# KiCad board AnalogFNN.kicad_pcb (continued)
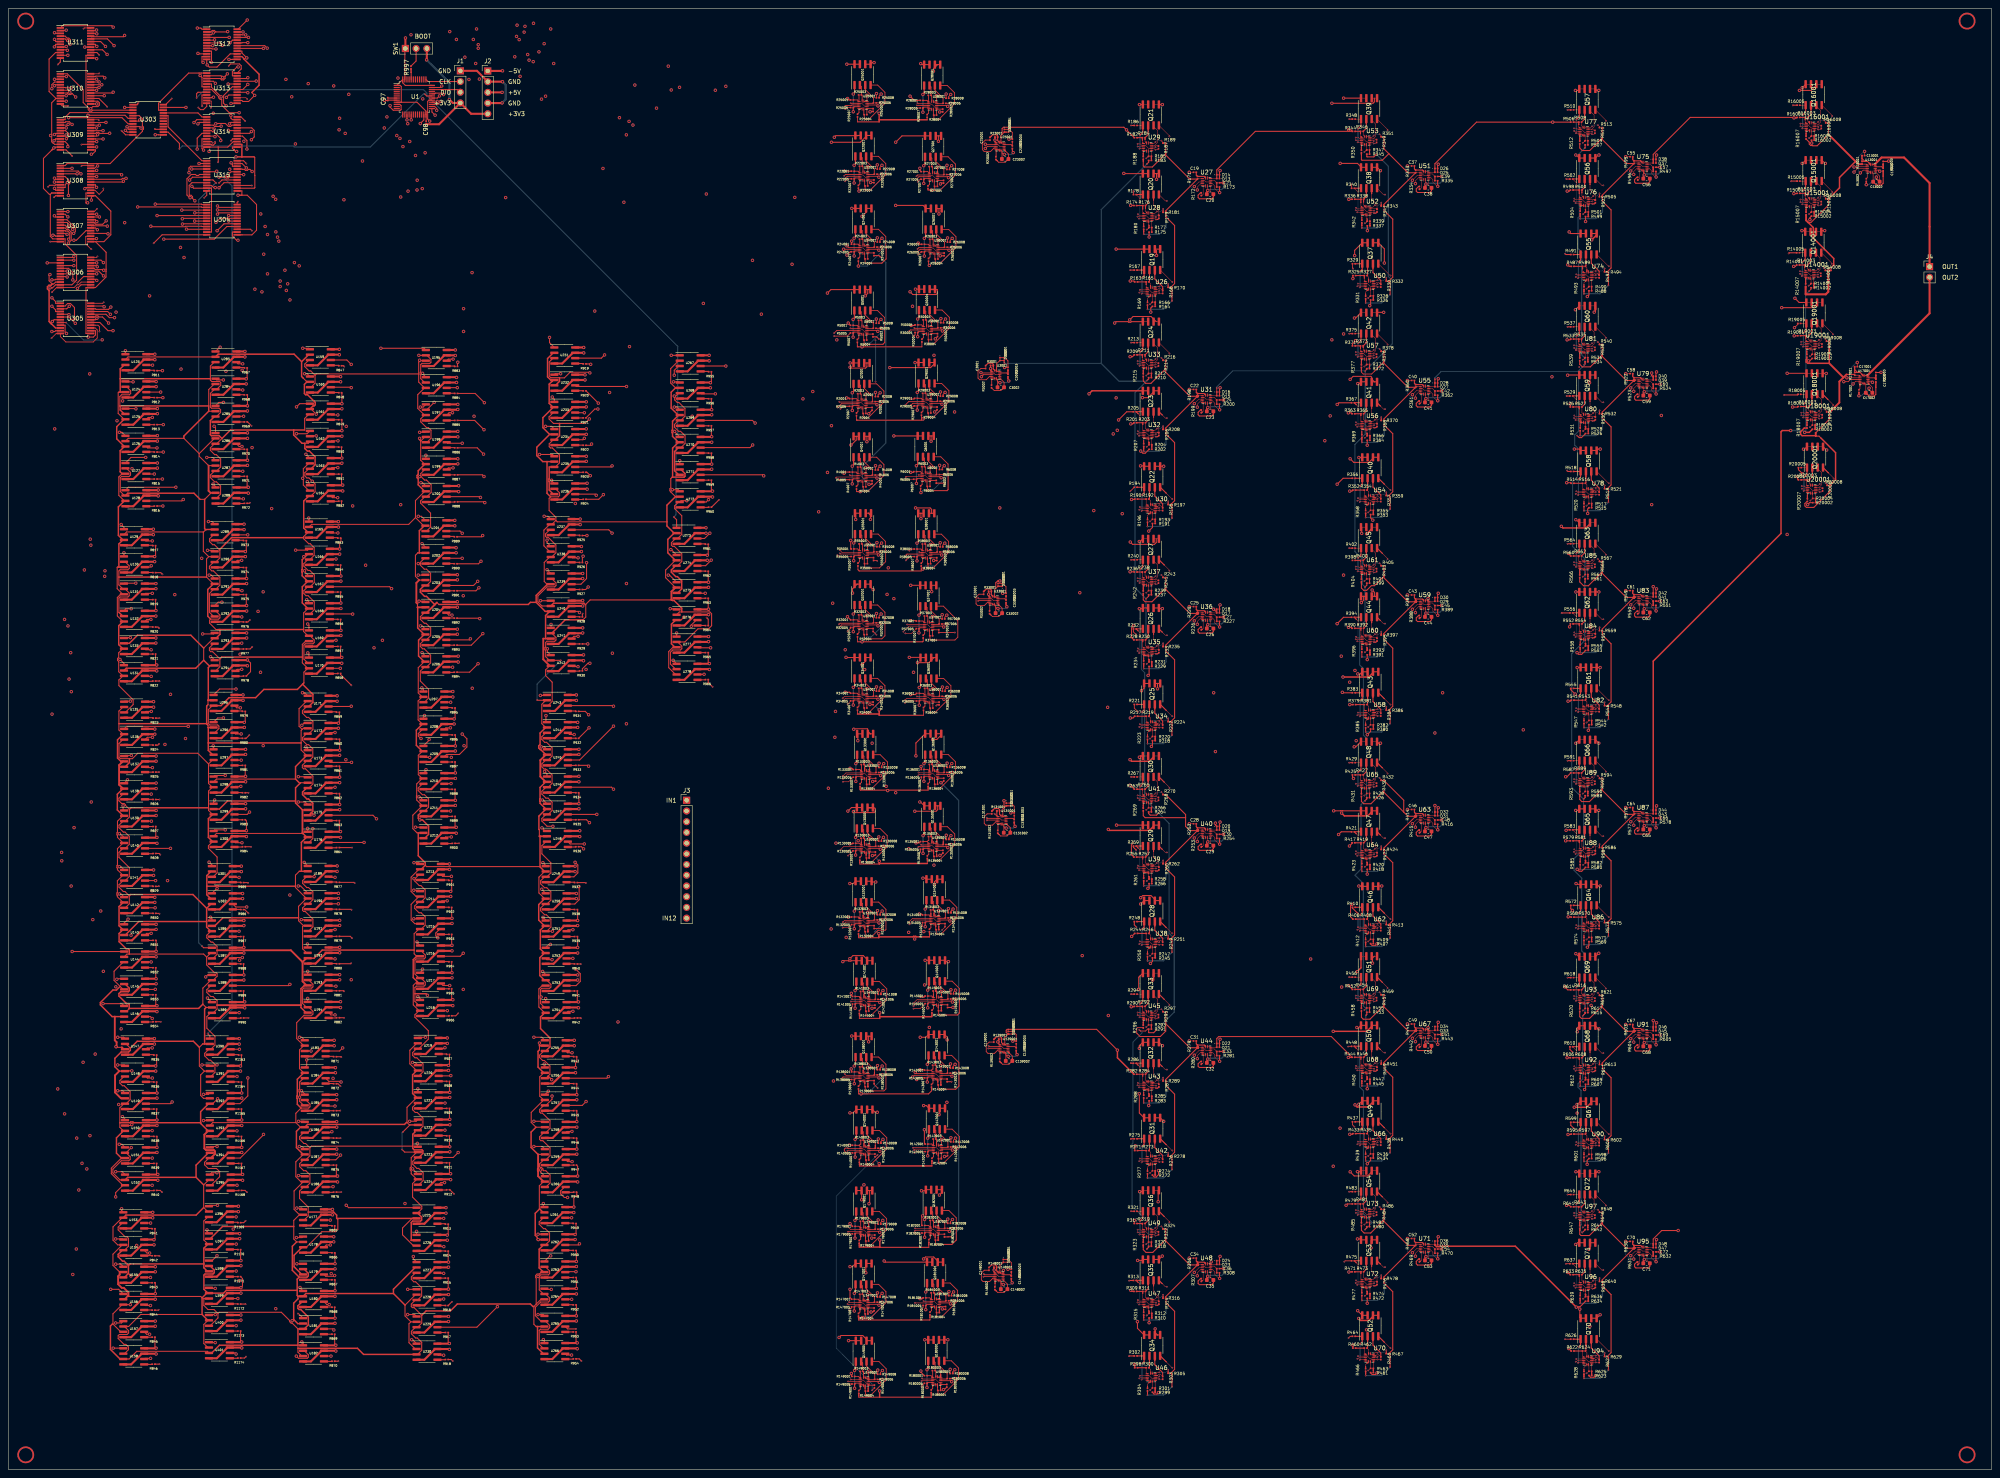
[diagram p0: board, top side]
## Routing (per net, layer and track width the routed paths; a pad name or vN(x,y) marks a point on that pad's centre or on a via; arc(x,y) is an arc through that point) (continued)
Net-(C43-Pad1): length 3.3
  Top w0.25: 335.33,206.21 335.42,206.12 ; 335.33,206.21 335.33,206.18 U59.14 ; 335.33,206.21 335.1,206.43 R387.2 333.21,206.71 C43.1
Net-(C44-Pad2): length 8.9
  Top w0.1: 335.84,202.34 U59.7
  Top w0.25: C44.2 335.72,202.88 v1(335.94,203.11) ; v1(339.66,204.91) C45.1
  Bottom w0.25: v1(335.94,203.11) 336.14,203.31 339.26,203.31 339.66,203.71 v1(339.66,204.91)
Net-(C46-Pad1): length 3.3
  Top w0.25: 335.33,155.34 335.42,155.25 ; 335.33,155.34 335.1,155.56 R414.2 333.21,155.84 C46.1 ; 335.33,155.34 335.33,155.31 U63.14
Net-(C47-Pad2): length 8.9
  Top w0.1: 335.84,151.47 U63.7
  Top w0.25: C47.2 335.72,152.01 v1(335.94,152.24) ; v1(339.66,154.04) C48.1
  Bottom w0.25: v1(335.94,152.24) 336.14,152.44 339.26,152.44 339.66,152.84 v1(339.66,154.04)
Net-(C49-Pad1): length 3.3
  Top w0.25: 335.33,104.47 335.1,104.69 R441.2 333.21,104.97 C49.1 ; 335.33,104.47 335.33,104.44 U67.14 ; 335.33,104.47 335.42,104.38
Net-(C50-Pad2): length 8.9
  Top w0.1: 335.84,100.6 U67.7
  Top w0.25: v1(339.66,103.17) C51.1 ; v1(335.94,101.37) 335.72,101.14 C50.2
  Bottom w0.25: v1(335.94,101.37) 336.14,101.57 339.26,101.57 339.66,101.97 v1(339.66,103.17)
Net-(C52-Pad1): length 3.3
  Top w0.25: 335.33,53.6 335.33,53.57 U71.14 ; 335.33,53.6 335.42,53.5 ; 335.33,53.6 335.1,53.82 R468.2 333.21,54.1 C52.1
Net-(C53-Pad2): length 8.9
  Top w0.1: U71.7 335.84,49.73
  Top w0.25: v1(335.94,50.5) 335.72,50.27 C53.2 ; v1(339.66,52.3) C54.1
  Bottom w0.25: v1(335.94,50.5) 336.14,50.7 339.26,50.7 339.66,51.1 v1(339.66,52.3)
Net-(C55-Pad1): length 4
  Top w0.25: 384.96,310.99 384.96,310.64 R495.2 386.82,310.36 ; 384.96,310.99 C55.1 384.96,310.99 ; U75.14 386.82,310.36 ; 386.82,310.36 386.85,310.36 387.16,310.04
Net-(C56-Pad2): length 9.2
  Top w0.1: 387.59,306.26 U75.7
  Top w0.25: v1(387.69,307.04) 387.46,306.81 387.46,306.48 ; 387.59,307.51 U75.7 ; v1(391.4,308.84) C57.1
  Bottom w0.25: v1(387.69,307.04) 387.89,307.24 391,307.24 391.4,307.64 v1(391.4,308.84)
Net-(C58-Pad1): length 4
  Top w0.25: 387.16,258.6 386.85,258.91 386.82,258.91 ; 386.82,258.91 R522.2 384.96,259.19 384.96,259.54 ; 386.82,258.91 U79.14 ; 384.96,259.54 C58.1 384.96,259.54
Net-(C59-Pad2): length 8.9
  Top w0.1: 387.59,254.82 387.59,256.42
  Top w0.25: v1(387.69,255.59) 387.46,255.37 387.46,254.69 ; 387.59,256.42 U79.7 ; v1(391.4,257.39) C60.1
  Bottom w0.25: v1(391.4,257.39) 391.4,256.19 391,255.79 387.89,255.79 v1(387.69,255.59)
Net-(C61-Pad1): length 3.7
  Top w0.25: 387.07,207.25 387.07,207.22 U83.14 ; 387.07,207.25 386.85,207.47 R549.2 384.96,207.75 384.96,208.1 ; 387.07,207.25 387.16,207.16 ; 384.96,208.1 C61.1 384.96,208.1
Net-(C62-Pad2): length 8.9
  Top w0.1: 387.59,203.38 387.59,204.97
  Top w0.25: 387.46,203.25 387.46,203.92 v1(387.69,204.15) ; v1(391.4,205.95) C63.1 ; 387.59,204.97 U83.7
  Bottom w0.25: v1(391.4,205.95) 391.4,204.75 391,204.35 387.89,204.35 v1(387.69,204.15)
Net-(C64-Pad1): length 3.7
  Top w0.25: 384.96,156.66 384.96,156.31 R576.2 386.85,156.03 387.07,155.8 ; 384.96,156.66 C64.1 384.96,156.66 ; U87.14 387.07,155.77 387.07,155.8 ; 387.07,155.8 387.16,155.71
Net-(C65-Pad2): length 8.9
  Top w0.1: 387.59,153.53 387.59,151.93
  Top w0.25: v1(387.69,152.71) 387.46,152.48 387.46,151.81 ; 387.59,153.53 U87.7 ; v1(391.4,154.51) C66.1
  Bottom w0.25: v1(387.69,152.71) 387.89,152.91 391,152.91 391.4,153.31 v1(391.4,154.51)
Net-(C67-Pad1): length 3.7
  Top w0.25: 387.07,104.36 387.16,104.27 ; 387.07,104.36 387.07,104.33 U91.14 ; 387.07,104.36 386.85,104.58 R603.2 384.96,104.86 384.96,105.21 ; 384.96,105.21 C67.1 384.96,105.21
Net-(C68-Pad2): length 8.9
  Top w0.1: 387.59,102.09 387.59,100.49
  Top w0.25: v1(391.4,103.06) C69.1 ; 387.59,102.09 U91.7 ; v1(387.69,101.26) 387.46,101.04 387.46,100.36
  Bottom w0.25: v1(387.69,101.26) 387.89,101.46 391,101.46 391.4,101.86 v1(391.4,103.06)
Net-(C70-Pad1): length 3.7
  Top w0.25: U95.14 387.07,52.89 387.07,52.92 ; 387.07,52.92 386.85,53.14 R630.2 384.96,53.42 384.96,53.77 ; 387.07,52.92 387.16,52.82 ; 384.96,53.77 C70.1 384.96,53.77
Net-(C71-Pad2): length 8.9
  Top w0.1: 387.59,50.64 387.59,49.04
  Top w0.25: 387.46,48.92 387.46,49.59 v1(387.69,49.82) ; v1(391.4,51.62) C72.1 ; 387.59,50.64 U95.7
  Bottom w0.25: v1(387.69,49.82) 387.89,50.02 391,50.02 391.4,50.42 v1(391.4,51.62)
Net-(C3001-Pad1): length 4.1
  Top w0.25: 233.41,261.59 233.41,262.13 233.16,262.38 232.19,262.38 C3001.1 ; 233.41,261.59 233.41,261.01 233.76,260.66 233.76,260.63 U3001.14 ; 233.41,261.59 R3001.2
Net-(C3002-Pad2): length 6.5
  Top w0.2: 234.44,258.1 234.44,256.68 ; 234.44,258.1 234.79,257.75 v1(234.99,257.75) ; 234.44,258.1 234.44,258.45 U3001.7 ; C3003.1 236.89,258.35 v1(237.09,258.15)
  Top w0.25: 236.89,258.74 C3003.1
  Bottom w0.2: v1(234.99,257.75) 236.69,257.75 v1(237.09,258.15)
Net-(C13001-Pad1): length 5.7
  Top w0.2: 441.24,309.51 441.22,309.51 441.02,309.7
  Top w0.25: 441.24,309.51 441.24,309.5 U13001.14 ; R13001.2 439.99,310.22 ; 439.99,310.22 439.29,310.92 C13001.1 439.29,310.24 ; 439.99,310.22 440.61,310.22 441.02,309.81 ; 441.02,309.7 441.02,309.81 ; 441.02,309.81 441.27,309.56
Net-(C13002-Pad2): length 9
  Top w0.15: 441.93,305.72 441.93,307.36 U13001.7
  Top w0.25: C13002.2 442.68,304.65 443.91,304.65 444.31,305.04 444.31,306.71 ; 444.31,306.71 C13003.1 444.31,306.71
Net-(C17001-Pad1): length 5.7
  Top w0.2: 439.5,259.45 439.49,259.45 439.29,259.65
  Top w0.25: U17001.14 439.5,259.45 ; R17001.2 438.25,260.16 ; 438.25,260.16 437.55,260.86 C17001.1 437.55,260.18 ; 438.25,260.16 438.87,260.16 439.29,259.75 ; 439.29,259.75 439.53,259.51 ; 439.29,259.75 439.29,259.65
Net-(C17002-Pad2): length 9.9
  Top w0.15: U17001.7 440.2,257.31 C17002.2
  Top w0.25: 442.57,256.66 C17003.1 442.57,256.66 ; 442.57,256.66 442.57,254.99 442.18,254.59 440.95,254.59 440.57,254.97 ; 440.57,254.97 440.57,254.97 C17002.2 440.57,254.97
Net-(C23001-Pad1): length 4.5
  Top w0.25: 234.67,314.94 234.8,314.81 ; 234.67,314.94 234.67,314.91 U23001.14 ; 234.67,314.94 234.45,315.16 R23001.2 234.45,316.28 234.2,316.52 233.23,316.52 232.93,316.22 ; 232.93,316.22 C23001.1 232.93,316.22
Net-(C23002-Pad2): length 6.5
  Top w0.2: U23001.7 235.48,312.6 235.48,312.25 ; 235.48,312.25 235.48,310.82 ; 235.48,312.25 235.83,311.9 v1(236.03,311.9) ; v1(238.13,312.3) 237.93,312.5 C23003.1
  Top w0.25: 237.93,312.89 C23003.1
  Bottom w0.2: v1(238.13,312.3) 237.73,311.9 v1(236.03,311.9)
Net-(C33001-Pad1): length 4.7
  Top w0.25: 233.17,207.24 233.3,207.1 ; 233.17,207.24 232.95,207.46 232.95,208.08 ; 233.17,207.24 233.17,207.21 U33001.14 ; 231.43,208.52 C33001.1 231.43,208.52 ; 231.43,208.52 231.73,208.82 232.7,208.82 232.95,208.58 232.95,208.08 ; 232.95,208.08 R33001.2
Net-(C33002-Pad2): length 6.5
  Top w0.2: U33001.7 233.98,204.9 233.98,204.55 ; 233.98,204.55 233.98,203.12 ; 233.98,204.55 234.33,204.2 v1(234.53,204.2) ; C33003.1 236.43,204.8 v1(236.63,204.6)
  Top w0.25: 236.43,205.19 C33003.1
  Bottom w0.2: v1(236.63,204.6) 236.23,204.2 v1(234.53,204.2)
Net-(C131001-Pad1): length 4.4
  Top w0.25: 233.37,156.45 C131001.1 233.37,156.45 ; 233.37,156.45 233.67,156.75 234.64,156.75 234.89,156.5 R131001.2 234.89,155.38 235.14,155.14 ; 235.14,155.14 235.14,155.11 U131001.14 ; 235.14,155.14 235.24,155.03
Net-(C131002-Pad2): length 6.5
  Top w0.2: 235.92,152.47 235.92,151.05 ; 235.92,152.47 235.92,152.82 U131001.7 ; 235.92,152.47 236.27,152.12 v1(236.47,152.12) ; v1(238.57,152.53) 238.37,152.72 C131003.1
  Top w0.25: 238.37,153.12 C131003.1
  Bottom w0.2: v1(238.57,152.53) 238.17,152.12 v1(236.47,152.12)
Net-(C139001-Pad1): length 4.4
  Top w0.25: 235.61,101.01 235.61,100.98 U139001.14 ; 235.61,101.01 235.36,101.26 R139001.2 235.36,102.38 235.12,102.62 234.15,102.62 233.84,102.32 ; 235.61,101.01 235.72,100.9 ; 233.84,102.32 C139001.1 233.84,102.32
Net-(C139002-Pad2): length 6.7
  Top w0.2: 236.39,98.35 236.74,98 v1(236.94,98) ; 236.39,98.35 236.39,96.93 ; 236.39,98.35 236.39,98.7 U139001.7 ; v1(239.04,98.4) 238.84,98.6 C139003.1
  Top w0.25: 236.26,98.82 U139001.7 ; 238.84,98.99 C139003.1
  Bottom w0.2: v1(236.94,98) 238.64,98 v1(239.04,98.4)
Net-(C148001-Pad1): length 4.4
  Top w0.25: 234.2,47.71 234.2,47.15 234.37,46.99 ; 234.2,47.71 234.2,48.27 233.96,48.52 232.99,48.52 232.38,47.92 ; 234.2,47.71 234.2,47.99 ; 234.37,46.99 234.37,46.96 U148001.14 ; 234.37,46.99 234.56,46.8
Net-(C148002-Pad2): length 6.5
  Top w0.2: 235.23,44.25 235.23,42.82 ; 235.23,44.25 235.23,44.6 U148001.7 ; 235.23,44.25 235.58,43.89 v1(235.78,43.89) ; v1(237.88,44.3) 237.68,44.5 237.68,45.27
  Top w0.25: 237.68,44.88 237.68,44.89 C148003.1
  Bottom w0.2: v1(237.88,44.3) 237.48,43.89 v1(235.78,43.89)
Net-(Q19A-G1): length 4.6
  Top w0.1: U26.14 270.66,281.27 R165.2
  Top w0.25: 270.42,284.27 270.42,281.79 R165.2 ; 270.66,280.81 U26.14
Net-(Q19A-S1): length 8.3
  Top w0.1: U26.4 268.71,279 v2(268.56,278.85)
  Top w0.25: 269.15,283.81 269.15,283.14 v2(268.66,282.65) ; R167.2 269.13,284.45
  Bottom w0.25: v2(268.66,282.65) 268.66,278.95 v2(268.56,278.85)
Net-(Q19B-G2): length 17.6
  Top w0.1: U26.7 271.14,278.37 R166.2 270.64,276.35 v2(270.56,276.35) ; v2(275.86,281.65) 275.79,281.65 Q19.4
  Top w0.25: 270.98,276.7 R166.2
  In1.Cu w0.1: v2(270.56,276.35) 275.76,276.35 276.26,276.85 276.26,281.25 v2(275.86,281.65)
Net-(Q19B-S2): length 9.2
  Top w0.1: R168.2 273.08,280.05 272.58,280.05 272.33,279.8 U26.11
  Top w0.25: 273.56,280.03 R168.2 273.56,280.03 ; 273.56,280.03 273.56,280.49 271.69,282.36 271.69,283.42 ; 271.69,283.42 Q19.3 271.69,283.42
Net-(Q20A-G1): length 6.7
  Top w0.1: R176.2 269.48,298.38 U28.14
  Top w0.25: 270.12,301.38 270.12,301.38 Q20.2 ; 270.12,301.38 270.12,302.37 ; 270.12,301.38 270.12,300.39 R176.2 269.48,299.1 ; 269.71,298.15 U28.14
Net-(Q20A-S1): length 8.8
  Top w0.1: R178.2 268.16,301.47 v2(268.16,300.55) ; v2(267.96,296.65) U28.4
  Top w0.25: Q20.1 267.3,302.37
  Bottom w0.1: v2(268.16,300.55) 268.16,296.85 v2(267.96,296.65)
Net-(Q20B-G2): length 16.8
  Top w0.1: R177.2 269.84,294.05 v2(269.76,294.05) ; 270.26,294.63 270.26,295.87 ; Q20.4 274.19,300.85 v2(274.56,300.85)
  Top w0.25: 270.17,294.38 R177.2 270.34,295.06 270.26,295.14 ; 270.26,295.87 U28.7
  In1.Cu w0.1: v2(269.76,294.05) 273.16,294.05 275.06,295.95 275.06,300.35 v2(274.56,300.85)
Net-(Q20B-S2): length 8.5
  Top w0.1: 271.06,297.5 272.53,297.5 ; 272.66,297.43 272.66,298.49 271.39,299.75 Q20.3
  Top w0.25: 271.06,297.5 U28.11 ; 272.66,297.43 272.59,297.5 272.53,297.5 ; 271.39,301.06 Q20.3
  Top w0.35: 272.66,297.43 R179.2
Net-(Q21A-G1): length 6.3
  Top w0.1: R184.2 269.38,314.98 U29.14
  Top w0.25: 269.38,315.45 R184.2 270.12,316.59 270.12,317.68 ; Q21.2 270.12,317.68 270.12,317.68 ; 270.12,317.68 270.12,318.77 ; 269.61,314.75 U29.14
Net-(Q21A-S1): length 7.3
  Top w0.1: v2(268.06,313.25) U29.4 ; R186.2 268.83,318.75
  Top w0.25: v2(268.16,316.45) 268.85,317.14 268.85,317.96
  Bottom w0.25: v2(268.16,316.45) 268.16,313.35 v2(268.06,313.25)
Net-(Q21B-G2): length 15.3
  Top w0.1: Q21.4 275.16,316.28 v2(275.16,316.15) ; v2(269.66,310.95) 269.74,310.95 R185.2 270.24,312.62 U29.7
  Top w0.25: 270.08,311.3 R185.2
  In1.Cu w0.1: v2(269.66,310.95) 272.86,310.95 275.16,313.25 v2(275.16,316.15)
Net-(Q21B-S2): length 6.9
  Top w0.1: 271.69,314.05 U29.11 ; 271.69,314.05 272.36,314.71 272.36,317.54 271.39,318.5 ; 271.69,314.05 272.18,314.05 272.36,313.87 R187.2
Net-(Q22A-G1): length 5.7
  Top w0.1: U30.14 270.66,229.77 R192.2
  Top w0.25: R192.2 270.42,230.29 270.42,231.63 ; 270.42,232.97 270.42,231.63 ; 270.42,231.63 270.42,231.64 Q22.2
Net-(Q22A-S1): length 8.3
  Top w0.1: U30.4 268.71,227.5 v2(268.56,227.35)
  Top w0.25: v2(268.66,231.15) 269.15,231.64 269.15,232.31 ; R194.2 269.13,232.95
  Bottom w0.25: v2(268.56,227.35) 268.66,227.45 v2(268.66,231.15)
Net-(Q22B-G2): length 19.4
  Top w0.1: 271.1,226.91 271.14,226.87 R193.2 270.64,224.85 v2(270.56,224.85) ; 272.96,232.97 275.79,230.15 v2(275.86,230.15)
  Top w0.25: 271.1,226.91 U30.7 ; 274.37,231.56 Q22.4
  In1.Cu w0.1: v2(275.86,230.15) 276.26,229.75 276.26,225.35 275.76,224.85 v2(270.56,224.85)
Net-(Q22B-S2): length 9.3
  Top w0.1: U30.11 272.33,228.3 272.58,228.54 273.08,228.54 R195.2
  Top w0.25: R195.2 273.56,228.99 271.69,230.86 271.69,231.92 ; 271.69,231.92 Q22.3 ; 271.69,231.92 271.69,232.97 ; U30.11 272.28,228.3
Net-(Q23A-G1): length 5.8
  Top w0.1: R203.2 269.48,246.88 U32.14
  Top w0.25: Q23.2 270.12,249.89 270.12,249.88 ; 270.12,250.88 270.12,249.88 ; 270.12,249.88 270.12,248.89 R203.2
Net-(Q23A-S1): length 9.5
  Top w0.1: v2(268.16,249.05) 268.16,249.97 R205.2 ; v2(267.96,245.15) U32.4
  Top w0.25: 268.85,250.88 267.3,250.88 ; 267.72,250.41 R205.2
  Bottom w0.1: v2(268.16,249.05) 268.16,245.35 v2(267.96,245.15)
Net-(Q23B-G2): length 17.7
  Top w0.1: R204.2 269.84,242.55 v2(269.76,242.55) ; 270.26,243.13 270.26,244.37 ; v2(274.56,249.35) 274.19,249.35 272.66,250.88
  Top w0.25: 270.26,244.37 U32.7 ; 273.42,250.11 Q23.4
  Top w0.35: 270.26,243.64 270.34,243.56 R204.2
  In1.Cu w0.1: v2(269.76,242.55) 273.16,242.55 275.06,244.45 275.06,248.85 v2(274.56,249.35)
Net-(Q23B-S2): length 8.7
  Top w0.1: R206.2 272.66,246.99 271.39,248.25 271.39,250.88 ; 272.53,246 271.06,246
  Top w0.25: 271.39,249.56 Q23.3 ; 272.37,246 272.5,245.87 R206.2 ; 271.06,246 U32.11
Net-(Q24A-G1): length 6.3
  Top w0.1: U33.14 269.38,263.48 R211.2
  Top w0.25: Q24.2 270.12,266.18 270.12,266.18 ; 270.12,266.18 270.12,265.09 R211.2 269.38,263.95 ; 270.12,266.18 270.12,267.27 ; 269.61,263.25 U33.14
Net-(Q24A-S1): length 7.3
  Top w0.1: R213.2 268.83,267.25 ; v2(268.06,261.75) U33.4
  Top w0.25: 268.85,266.46 268.85,265.64 v2(268.16,264.95)
  Bottom w0.25: v2(268.16,264.95) 268.16,261.85 v2(268.06,261.75)
Net-(Q24B-G2): length 15.3
  Top w0.1: v2(269.66,259.45) 269.74,259.45 R212.2 270.24,261.12 U33.7 ; Q24.4 275.16,264.78 v2(275.16,264.65)
  Top w0.25: 270.08,259.8 R212.2
  In1.Cu w0.1: v2(269.66,259.45) 272.86,259.45 275.16,261.75 v2(275.16,264.65)
Net-(Q24B-S2): length 6.9
  Top w0.1: 271.69,262.55 272.36,263.21 272.36,266.04 271.39,267 ; 271.69,262.55 U33.11 ; 271.69,262.55 272.18,262.55 272.36,262.37 R214.2
Net-(Q25A-G1): length 5.7
  Top w0.1: R219.2 270.66,178.27 U34.14
  Top w0.25: 270.42,180.13 270.42,178.79 R219.2 ; 270.42,180.13 270.42,180.14 Q25.2 ; 270.42,180.13 270.42,181.47
Net-(Q25A-S1): length 8.3
  Top w0.1: v2(268.56,175.85) 268.71,176 U34.4
  Top w0.25: R221.2 269.13,181.45 ; v2(268.66,179.65) 269.15,180.15 269.15,180.81
  Bottom w0.25: v2(268.56,175.85) 268.66,175.95 v2(268.66,179.65)
Net-(Q25B-G2): length 19.4
  Top w0.1: 271.1,175.41 271.14,175.37 R220.2 270.64,173.35 v2(270.56,173.35) ; v2(275.86,178.65) 275.79,178.65 272.96,181.47
  Top w0.25: 274.37,180.06 Q25.4 ; 271.1,175.41 U34.7
  In1.Cu w0.1: v2(270.56,173.35) 275.76,173.35 276.26,173.85 276.26,178.25 v2(275.86,178.65)
Net-(Q25B-S2): length 9.3
  Top w0.1: U34.11 272.33,176.8 272.58,177.04 273.08,177.04 R222.2
  Top w0.25: 271.69,181.47 271.69,180.42 ; 271.69,180.42 271.69,179.36 273.56,177.49 R222.2 ; 271.69,180.42 Q25.3 ; U34.11 272.28,176.8
Net-(Q26A-G1): length 5.8
  Top w0.1: R230.2 269.48,195.38 U35.14
  Top w0.25: Q26.2 270.12,198.39 270.12,198.38 ; 270.12,199.38 270.12,198.38 ; 270.12,198.38 270.12,197.4 R230.2
Net-(Q26A-S1): length 9.5
  Top w0.1: R232.2 268.16,198.47 v2(268.16,197.55) ; v2(267.96,193.65) U35.4
  Top w0.25: 268.85,199.38 267.3,199.38 ; 267.72,198.91 R232.2
  Bottom w0.1: v2(268.16,197.55) 268.16,193.85 v2(267.96,193.65)
Net-(Q26B-G2): length 17.7
  Top w0.1: v2(269.76,191.05) 269.84,191.05 R231.2 ; 272.66,199.38 274.19,197.85 v2(274.56,197.85) ; 270.26,192.87 270.26,191.63
  Top w0.25: 270.26,192.87 U35.7 ; 273.42,198.61 Q26.4
  Top w0.35: R231.2 270.34,192.06 270.26,192.14
  In1.Cu w0.1: v2(274.56,197.85) 275.06,197.35 275.06,192.95 273.16,191.05 v2(269.76,191.05)
Net-(Q26B-S2): length 8.6
  Top w0.1: 271.39,199.38 271.39,196.75 272.66,195.49 R233.2 ; 271.06,194.5 272.53,194.5
  Top w0.25: 271.39,198.06 Q26.3 ; 272.53,194.5 R233.2 ; 271.06,194.5 U35.11
Net-(Q27A-G1): length 5.7
  Top w0.1: R238.2 269.38,211.98 U37.14
  Top w0.25: 270.12,214.69 270.12,214.69 Q27.2 ; 270.12,214.69 270.12,213.59 R238.2 ; 270.12,214.69 270.12,215.78
Net-(Q27A-S1): length 7.3
  Top w0.1: v2(268.06,210.25) U37.4 ; R240.2 268.83,215.75
  Top w0.25: v2(268.16,213.45) 268.85,214.15 268.85,214.96
  Bottom w0.25: v2(268.16,213.45) 268.16,210.35 v2(268.06,210.25)
Net-(Q27B-G2): length 16.8
  Top w0.1: 270.2,209.66 270.24,209.62 R239.2 269.74,207.95 v2(269.66,207.95) ; 272.66,215.78 275.16,213.28 v2(275.16,213.15)
  Top w0.25: 273.91,214.53 Q27.4 ; 270.2,209.66 U37.7
  In1.Cu w0.1: v2(269.66,207.95) 272.86,207.95 275.16,210.25 v2(275.16,213.15)
Net-(Q27B-S2): length 6.9
  Top w0.1: U37.11 271.69,211.05 ; 271.39,215.5 272.36,214.54 272.36,211.71 271.69,211.05 ; 271.69,211.05 272.18,211.05 272.36,210.87 R241.2
Net-(Q28A-G1): length 5.7
  Top w0.1: R246.2 270.66,126.77 U38.14
  Top w0.25: 270.42,128.63 270.42,128.64 Q28.2 ; 270.42,128.63 270.42,129.97 ; 270.42,128.63 270.42,127.29 R246.2
Net-(Q28A-S1): length 8.3
  Top w0.1: v2(268.56,124.35) 268.71,124.5 U38.4
  Top w0.25: 269.15,129.31 269.15,128.65 v2(268.66,128.15) ; R248.2 269.13,129.95
  Bottom w0.25: v2(268.66,128.15) 268.66,124.45 v2(268.56,124.35)
Net-(Q28B-G2): length 19.4
  Top w0.1: 271.1,123.91 271.14,123.87 R247.2 270.64,121.85 v2(270.56,121.85) ; 272.96,129.97 275.79,127.15 v2(275.86,127.15)
  Top w0.25: 271.1,123.91 U38.7 ; 274.37,128.56 Q28.4
  In1.Cu w0.1: v2(270.56,121.85) 275.76,121.85 276.26,122.35 276.26,126.75 v2(275.86,127.15)
Net-(Q28B-S2): length 9.3
  Top w0.1: R249.2 273.08,125.54 272.58,125.54 272.33,125.3 U38.11
  Top w0.25: R249.2 273.56,125.99 271.69,127.86 271.69,128.92 ; 271.69,128.92 Q28.3 ; 271.69,128.92 271.69,129.97 ; U38.11 272.28,125.3
Net-(Q29A-G1): length 5.8
  Top w0.1: R257.2 269.48,143.88 U39.14
  Top w0.25: 270.12,146.88 270.12,146.89 Q29.2 ; 270.12,146.88 270.12,147.88 ; 270.12,146.88 270.12,145.9 R257.2
Net-(Q29A-S1): length 9.5
  Top w0.1: v2(267.96,142.15) U39.4 ; R259.2 268.16,146.97 v2(268.16,146.05)
  Top w0.25: 268.85,147.88 267.3,147.88 ; 267.72,147.41 R259.2
  Bottom w0.1: v2(268.16,146.05) 268.16,142.35 v2(267.96,142.15)
Net-(Q29B-G2): length 17.7
  Top w0.1: 272.66,147.88 274.19,146.35 v2(274.56,146.35) ; R258.2 269.84,139.55 v2(269.76,139.55) ; 270.26,141.37 270.26,140.13
  Top w0.25: 270.26,141.37 U39.7 ; 273.42,147.11 Q29.4
  Top w0.35: R258.2 270.34,140.56 270.26,140.64
  In1.Cu w0.1: v2(269.76,139.55) 273.16,139.55 275.06,141.45 275.06,145.85 v2(274.56,146.35)
Net-(Q29B-S2): length 8.6
  Top w0.1: 271.39,147.88 271.39,145.25 272.66,143.99 R260.2 ; 271.06,143 272.53,143
  Top w0.25: 271.39,146.56 Q29.3 ; 271.06,143 U39.11 ; 272.53,143 R260.2
Net-(Q30A-G1): length 5.7
  Top w0.1: R265.2 269.38,160.48 U41.14
  Top w0.25: 270.12,164.28 270.12,163.19 ; 270.12,163.19 270.12,162.09 R265.2 ; 270.12,163.19 270.12,163.19 Q30.2
Net-(Q30A-S1): length 7.3
  Top w0.1: R267.2 268.83,164.25 ; v2(268.06,158.75) U41.4
  Top w0.25: 268.85,163.46 268.85,162.65 v2(268.16,161.95)
  Bottom w0.25: v2(268.16,161.95) 268.16,158.85 v2(268.06,158.75)
Net-(Q30B-G2): length 16.8
  Top w0.1: v2(269.66,156.45) 269.74,156.45 R266.2 270.24,158.12 270.2,158.16 ; v2(275.16,161.65) 275.16,161.78 272.66,164.28
  Top w0.25: 270.2,158.16 U41.7 ; 273.91,163.03 Q30.4
  In1.Cu w0.1: v2(269.66,156.45) 272.86,156.45 275.16,158.75 v2(275.16,161.65)
Net-(Q30B-S2): length 6.9
  Top w0.1: 271.69,159.55 272.18,159.55 272.36,159.37 R268.2 ; 271.69,159.55 U41.11 ; 271.69,159.55 272.36,160.21 272.36,163.04 271.39,164
Net-(Q31A-G1): length 5.7
  Top w0.1: U42.14 270.66,75.27 R273.2
  Top w0.25: R273.2 270.42,75.8 270.42,77.13 ; 270.42,77.13 270.42,77.14 Q31.2 ; 270.42,77.13 270.42,78.48
Net-(Q31A-S1): length 8.3
  Top w0.1: U42.4 268.71,73 v2(268.56,72.85)
  Top w0.25: R275.2 269.13,78.45 ; 269.15,77.81 269.15,77.14 v2(268.66,76.65)
  Bottom w0.25: v2(268.66,76.65) 268.66,72.95 v2(268.56,72.85)
Net-(Q31B-G2): length 19.4
  Top w0.1: v2(275.86,75.65) 275.79,75.65 272.96,78.48 ; v2(270.56,70.35) 270.64,70.35 R274.2 271.14,72.37 271.1,72.41
  Top w0.25: 271.1,72.41 U42.7 ; 274.37,77.06 Q31.4
  In1.Cu w0.1: v2(270.56,70.35) 275.76,70.35 276.26,70.85 276.26,75.25 v2(275.86,75.65)
Net-(Q31B-S2): length 9.3
  Top w0.1: R276.2 273.08,74.05 272.58,74.05 272.33,73.8 U42.11
  Top w0.25: R276.2 273.56,74.49 271.69,76.36 271.69,77.42 ; 271.69,78.48 271.69,77.42 ; 271.69,77.42 Q31.3 ; U42.11 272.28,73.8
Net-(Q32A-G1): length 5.8
  Top w0.1: R284.2 269.48,92.38 U43.14
  Top w0.25: 270.12,95.38 270.12,95.39 Q32.2 ; 270.12,95.38 270.12,94.39 R284.2 ; 270.12,95.38 270.12,96.38
Net-(Q32A-S1): length 9.5
  Top w0.1: R286.2 268.16,95.47 v2(268.16,94.55) ; v2(267.96,90.65) U43.4
  Top w0.25: 267.72,95.91 R286.2 ; 268.85,96.38 267.3,96.38
  Bottom w0.1: v2(268.16,94.55) 268.16,90.85 v2(267.96,90.65)
Net-(Q32B-G2): length 17.7
  Top w0.1: 270.26,89.87 270.26,88.63 ; 272.66,96.38 274.19,94.85 v2(274.56,94.85) ; R285.2 269.84,88.05 v2(269.76,88.05)
  Top w0.25: 270.26,89.87 U43.7 ; 273.42,95.61 Q32.4
  Top w0.35: 270.26,89.14 270.34,89.06 R285.2
  In1.Cu w0.1: v2(269.76,88.05) 273.16,88.05 275.06,89.95 275.06,94.35 v2(274.56,94.85)
Net-(Q32B-S2): length 8.6
  Top w0.1: 271.39,96.38 271.39,93.75 272.66,92.49 R287.2 ; 271.06,91.5 272.53,91.5
  Top w0.25: 272.53,91.5 R287.2 ; 271.39,95.06 Q32.3 ; 271.06,91.5 U43.11
Net-(Q33A-G1): length 5.7
  Top w0.1: U45.14 269.38,108.98 R292.2
  Top w0.25: 270.12,111.69 270.12,110.59 R292.2 ; 270.12,111.69 270.12,111.69 Q33.2 ; 270.12,111.69 270.12,112.78
Net-(Q33A-S1): length 7.3
  Top w0.1: v2(268.06,107.25) U45.4 ; R294.2 268.83,112.75
  Top w0.25: 268.85,111.96 268.85,111.15 v2(268.16,110.45)
  Bottom w0.25: v2(268.16,110.45) 268.16,107.35 v2(268.06,107.25)
Net-(Q33B-G2): length 16.8
  Top w0.1: 270.2,106.66 270.24,106.62 R293.2 269.74,104.95 v2(269.66,104.95) ; 272.66,112.78 275.16,110.28 v2(275.16,110.15)
  Top w0.25: 273.91,111.53 Q33.4 ; 270.2,106.66 U45.7
  In1.Cu w0.1: v2(275.16,110.15) 275.16,107.25 272.86,104.95 v2(269.66,104.95)
Net-(Q33B-S2): length 6.9
  Top w0.1: U45.11 271.69,108.05 ; R295.2 272.36,107.87 272.18,108.05 271.69,108.05 ; 271.39,112.5 272.36,111.54 272.36,108.71 271.69,108.05
Net-(Q34A-G1): length 5.7
  Top w0.1: U46.14 270.66,23.77 R300.2
  Top w0.25: 270.42,25.63 270.42,25.64 Q34.2 ; 270.42,25.63 270.42,24.3 R300.2 ; 270.42,25.63 270.42,26.98
Net-(Q34A-S1): length 8.3
  Top w0.1: U46.4 268.71,21.5 v2(268.56,21.35)
  Top w0.25: 269.15,26.31 269.15,25.64 v2(268.66,25.15) ; R302.2 269.13,26.95
  Bottom w0.25: v2(268.66,25.15) 268.66,21.45 v2(268.56,21.35)
Net-(Q34B-G2): length 19.4
  Top w0.1: 272.96,26.98 275.79,24.15 v2(275.86,24.15) ; 271.1,20.91 271.14,20.87 R301.2 270.64,18.85 v2(270.56,18.85)
  Top w0.25: 271.1,20.91 U46.7 ; 274.37,25.56 Q34.4
  In1.Cu w0.1: v2(270.56,18.85) 275.76,18.85 276.26,19.35 276.26,23.75 v2(275.86,24.15)
Net-(Q34B-S2): length 9.3
  Top w0.1: U46.11 272.33,22.3 272.58,22.55 273.08,22.55 R303.2
  Top w0.25: U46.11 272.28,22.3 ; 271.69,25.92 271.69,24.86 273.56,22.99 R303.2 ; 271.69,25.92 271.69,26.98 ; 271.69,25.92 Q34.3
Net-(Q35A-G1): length 5.8
  Top w0.1: R311.2 269.48,40.88 U47.14
  Top w0.25: Q35.2 270.12,43.89 270.12,43.88 ; 270.12,44.88 270.12,43.88 ; 270.12,43.88 270.12,42.89 R311.2
Net-(Q35A-S1): length 9.5
  Top w0.1: R313.2 268.16,43.97 v2(268.16,43.05) ; v2(267.96,39.15) U47.4
  Top w0.25: 267.72,44.41 R313.2 ; 268.85,44.88 267.3,44.88
  Bottom w0.1: v2(268.16,43.05) 268.16,39.35 v2(267.96,39.15)
Net-(Q35B-G2): length 17.7
  Top w0.1: 272.66,44.88 274.19,43.35 v2(274.56,43.35) ; R312.2 269.84,36.55 v2(269.76,36.55) ; 270.26,37.13 270.26,38.37
  Top w0.25: 270.26,38.37 U47.7 ; 273.42,44.11 Q35.4
  Top w0.35: R312.2 270.34,37.56 270.26,37.64
  In1.Cu w0.1: v2(274.56,43.35) 275.06,42.85 275.06,38.45 273.16,36.55 v2(269.76,36.55)
Net-(Q35B-S2): length 8.6
  Top w0.1: R314.2 272.66,40.99 271.39,42.25 271.39,44.88 ; 271.06,40 272.53,40
  Top w0.25: 272.53,40 R314.2 ; 271.06,40 U47.11 ; 271.39,43.56 Q35.3
Net-(Q36A-G1): length 5.7
  Top w0.1: U49.14 269.38,57.48 R319.2
  Top w0.25: 270.12,60.19 270.12,60.19 Q36.2 ; 270.12,60.19 270.12,59.1 R319.2 ; 270.12,60.19 270.12,61.27
Net-(Q36A-S1): length 7.3
  Top w0.1: R321.2 268.83,61.25 ; v2(268.06,55.75) U49.4
  Top w0.25: v2(268.16,58.95) 268.85,59.64 268.85,60.46
  Bottom w0.25: v2(268.06,55.75) 268.16,55.85 v2(268.16,58.95)
Net-(Q36B-G2): length 16.8
  Top w0.1: v2(275.16,58.65) 275.16,58.78 272.66,61.27 ; 270.2,55.16 270.24,55.12 R320.2 269.74,53.45 v2(269.66,53.45)
  Top w0.25: 273.91,60.03 Q36.4 ; 270.2,55.16 U49.7
  In1.Cu w0.1: v2(269.66,53.45) 272.86,53.45 275.16,55.75 v2(275.16,58.65)
Net-(Q36B-S2): length 6.9
  Top w0.1: R322.2 272.36,56.37 272.18,56.55 271.69,56.55 ; 271.69,56.55 272.36,57.21 272.36,60.04 271.39,61 ; 271.69,56.55 U49.11
Net-(Q37A-G1): length 4.6
  Top w0.1: U50.14 322.36,282.77 R327.2
  Top w0.25: 322.12,285.77 322.12,283.29 R327.2 ; 322.36,282.31 U50.14
Net-(Q37A-S1): length 8.3